# Altium PCB PCB_Template.PcbDoc (part 1 of 6)
Units mm, origin at the board's own origin, x right, y up, seen from the top; angles counter-clockwise.
Board outline 93 x 50 mm, 4 copper layers (Top Layer, Int1 (GND), Int2 (PWR), Bottom Layer), stack 1.369 mm thick; 176 components, 236 nets, 978 pads, 657 vias.
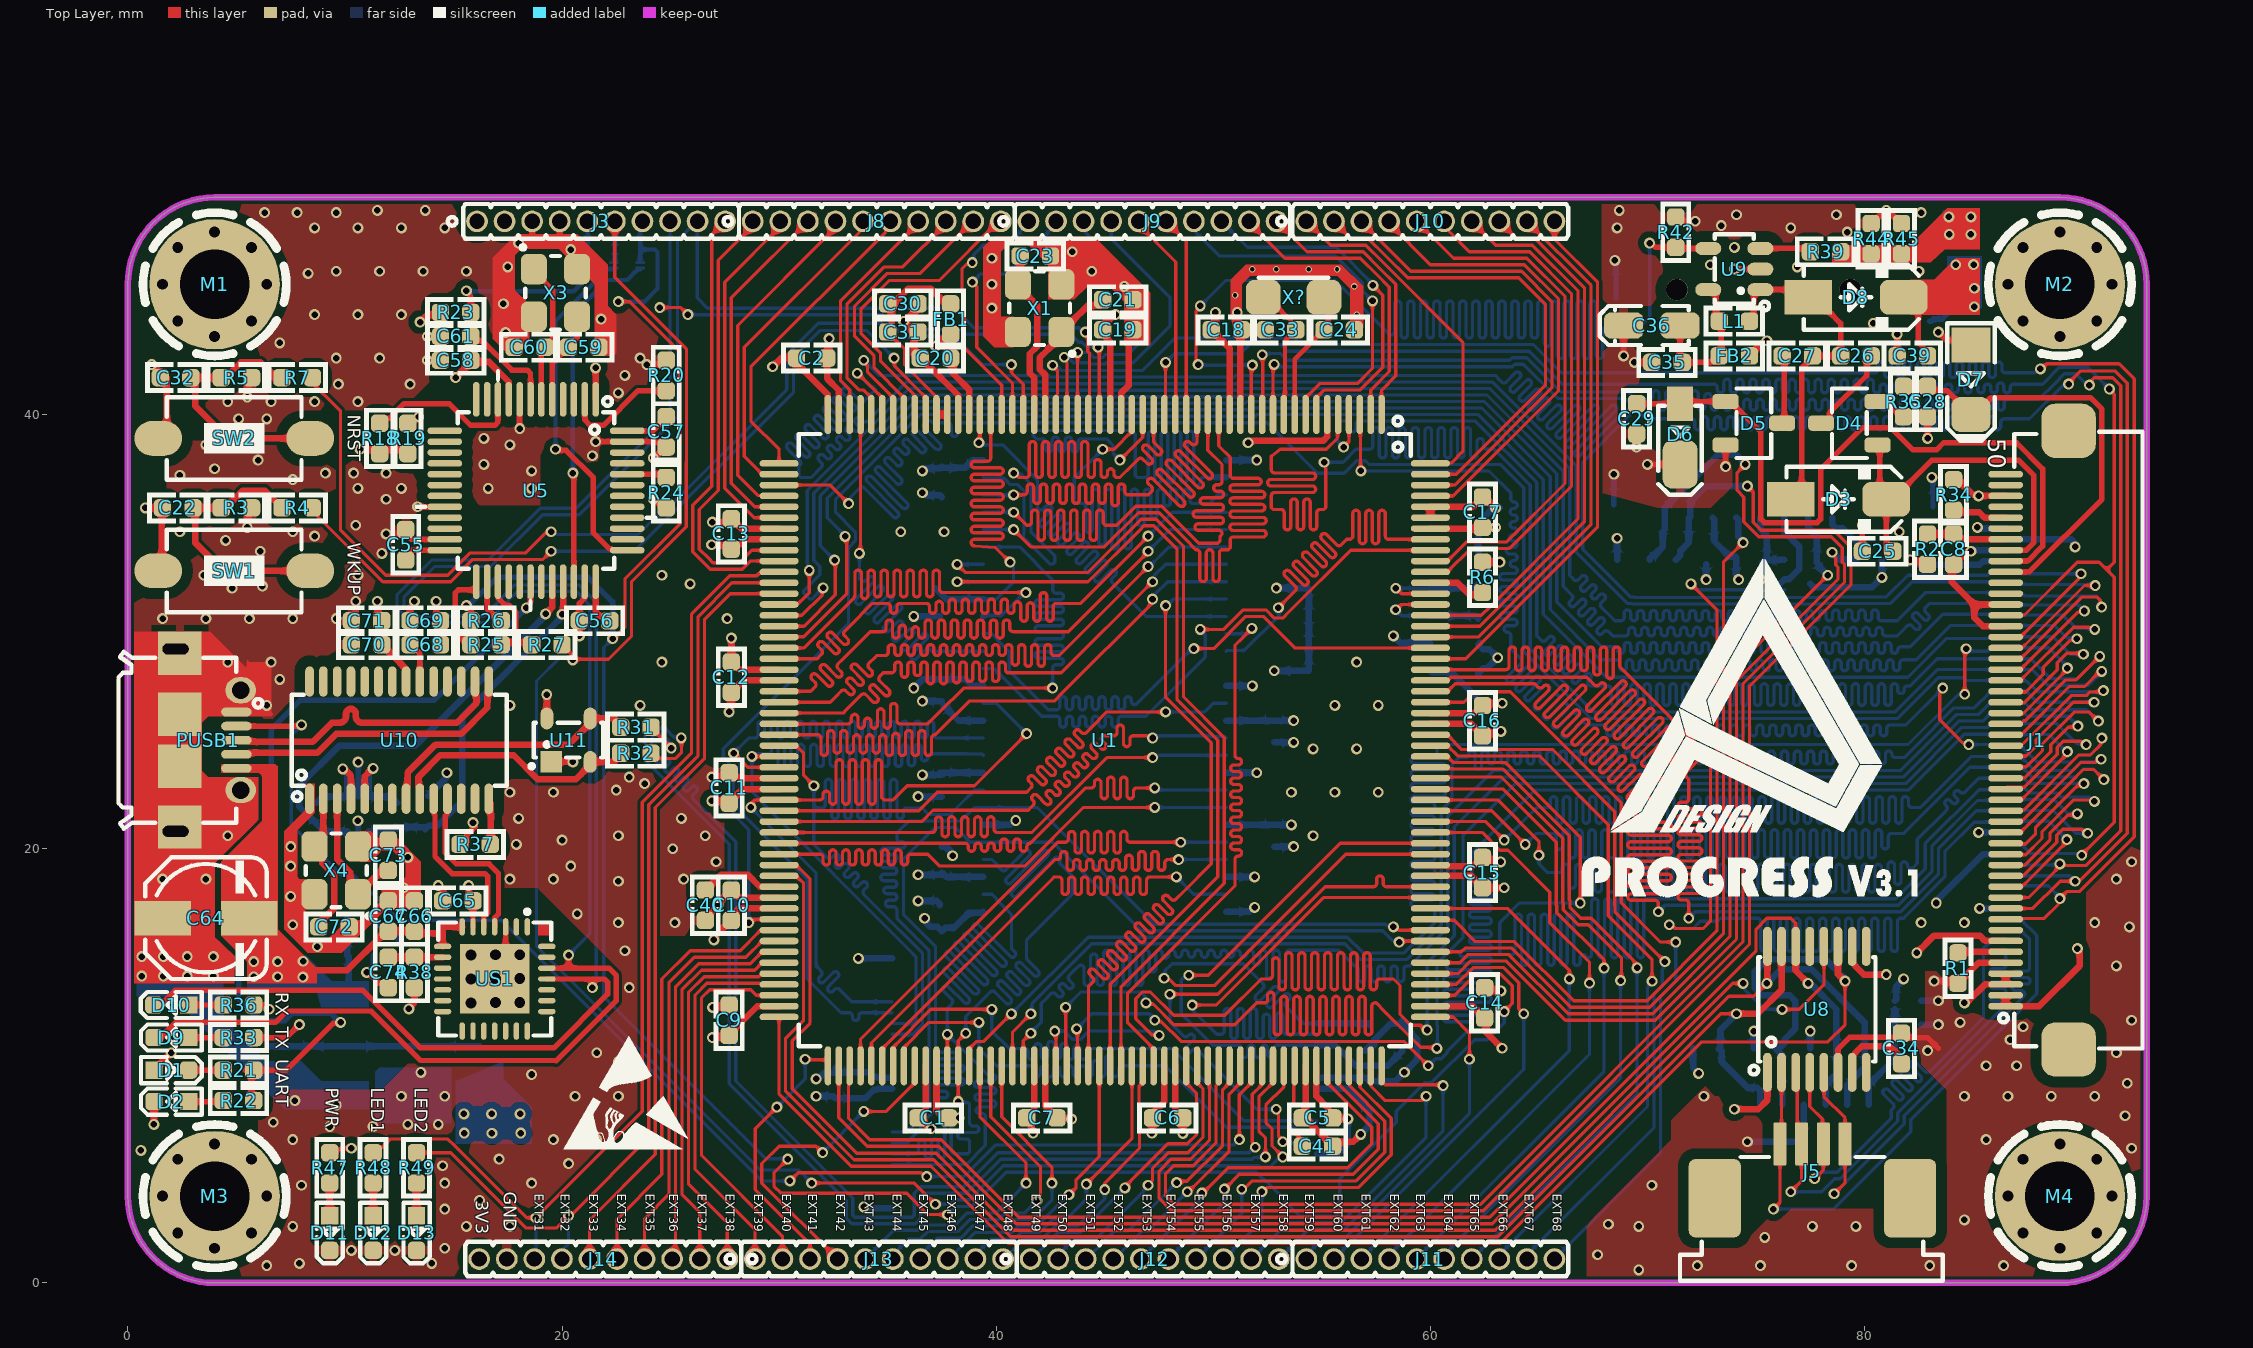
[diagram p0: Top Layer view]
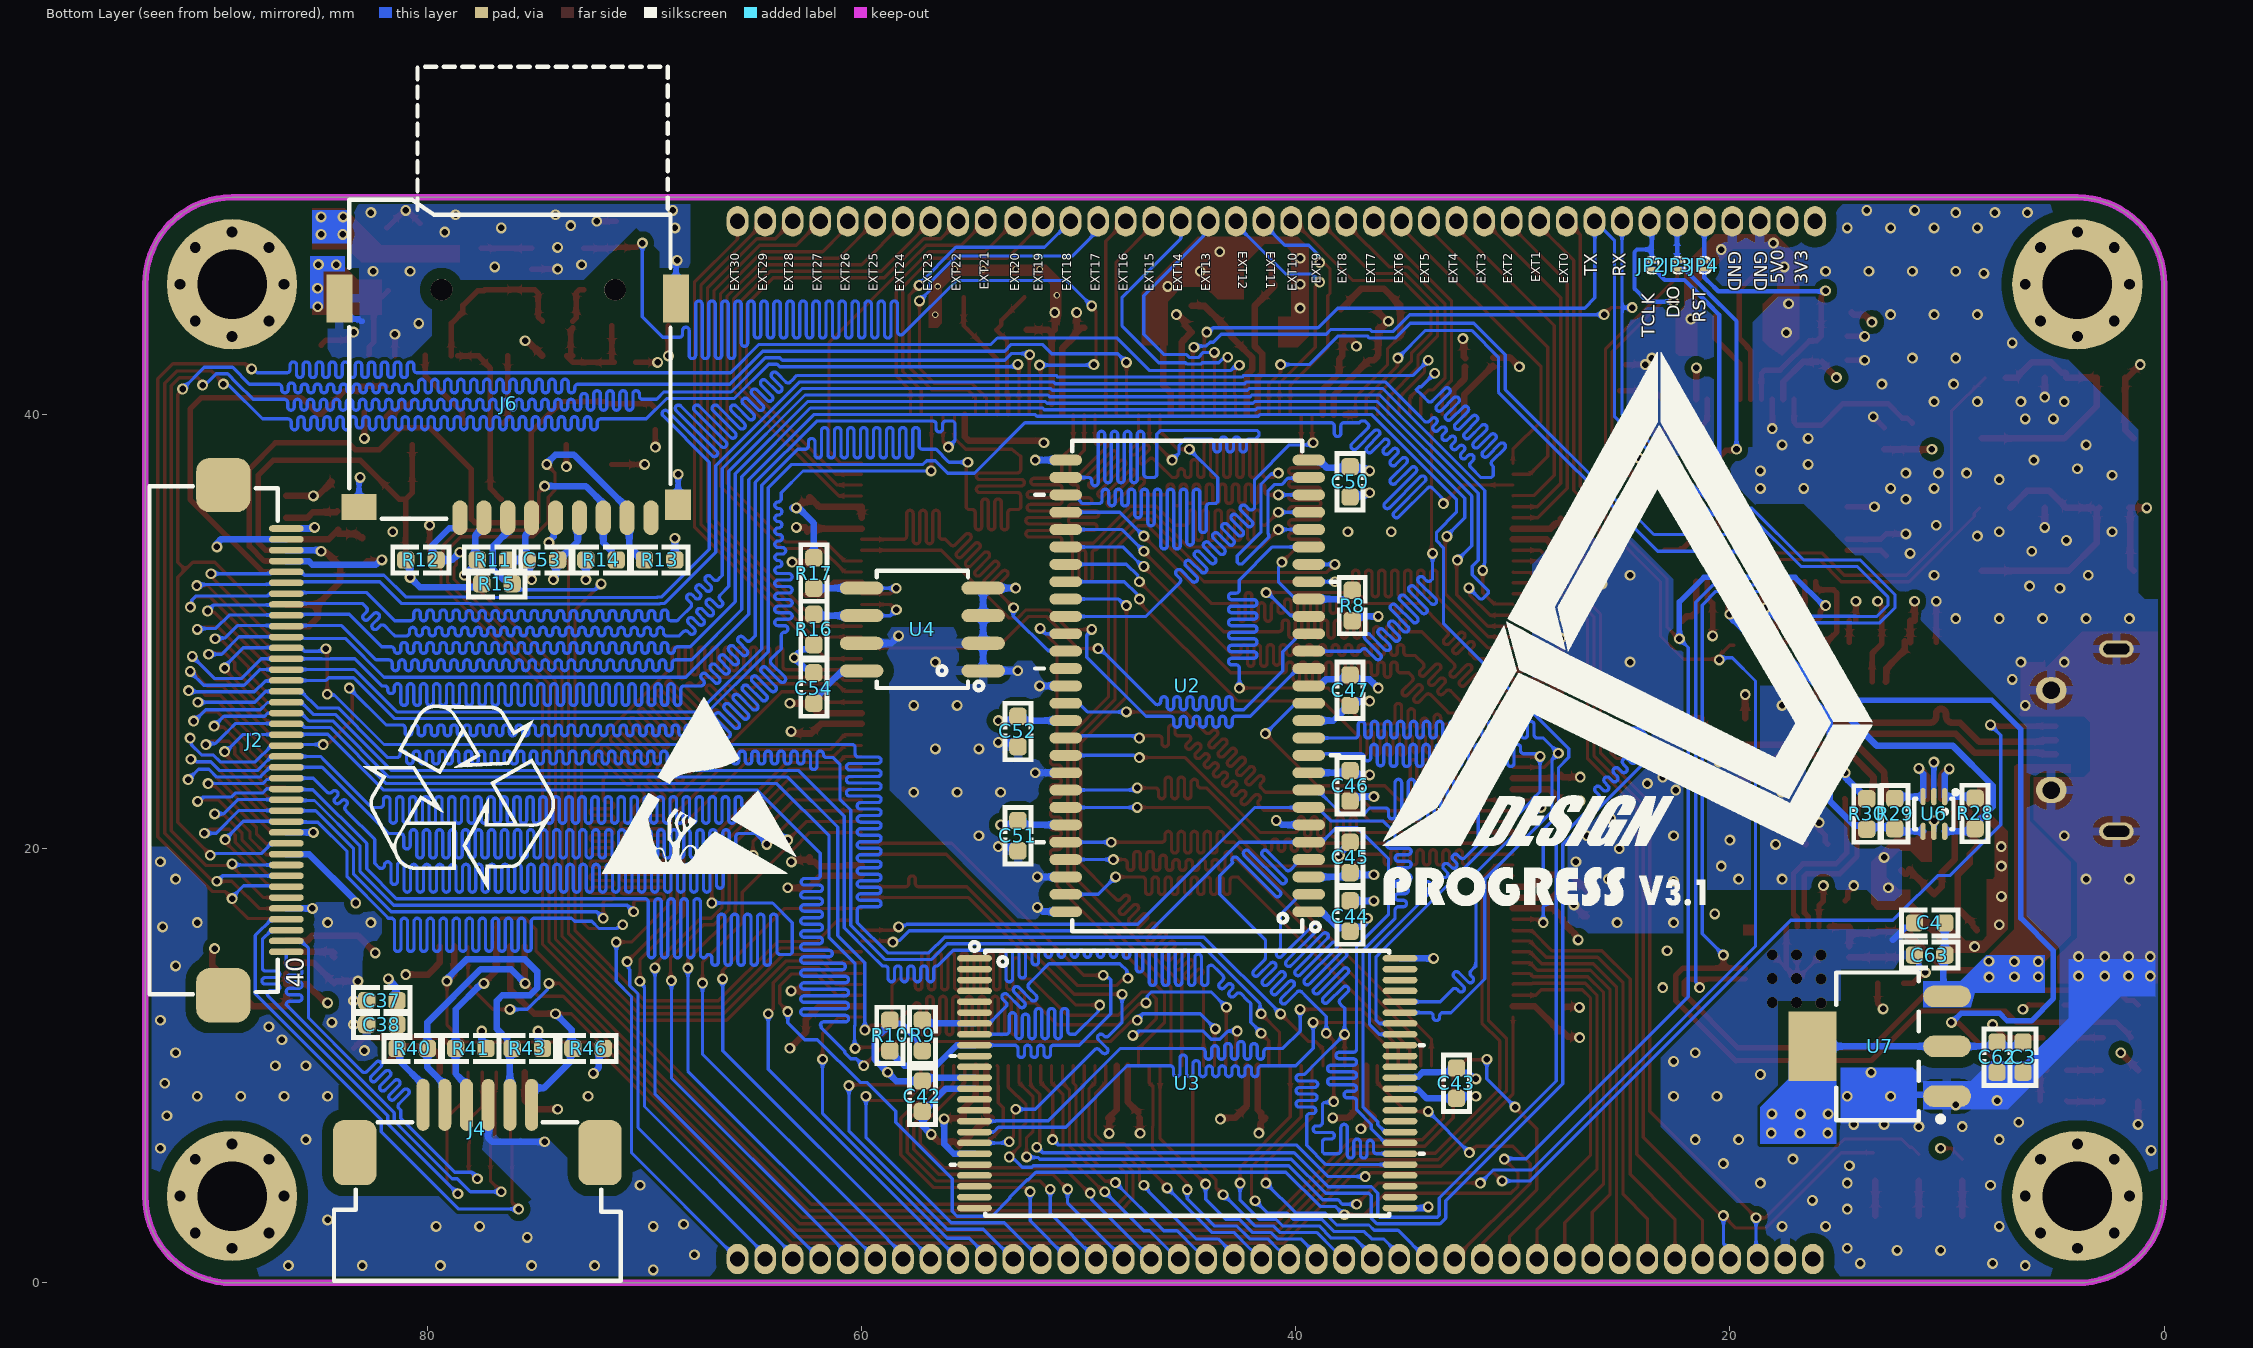
[diagram p1: Bottom Layer view, seen from below]
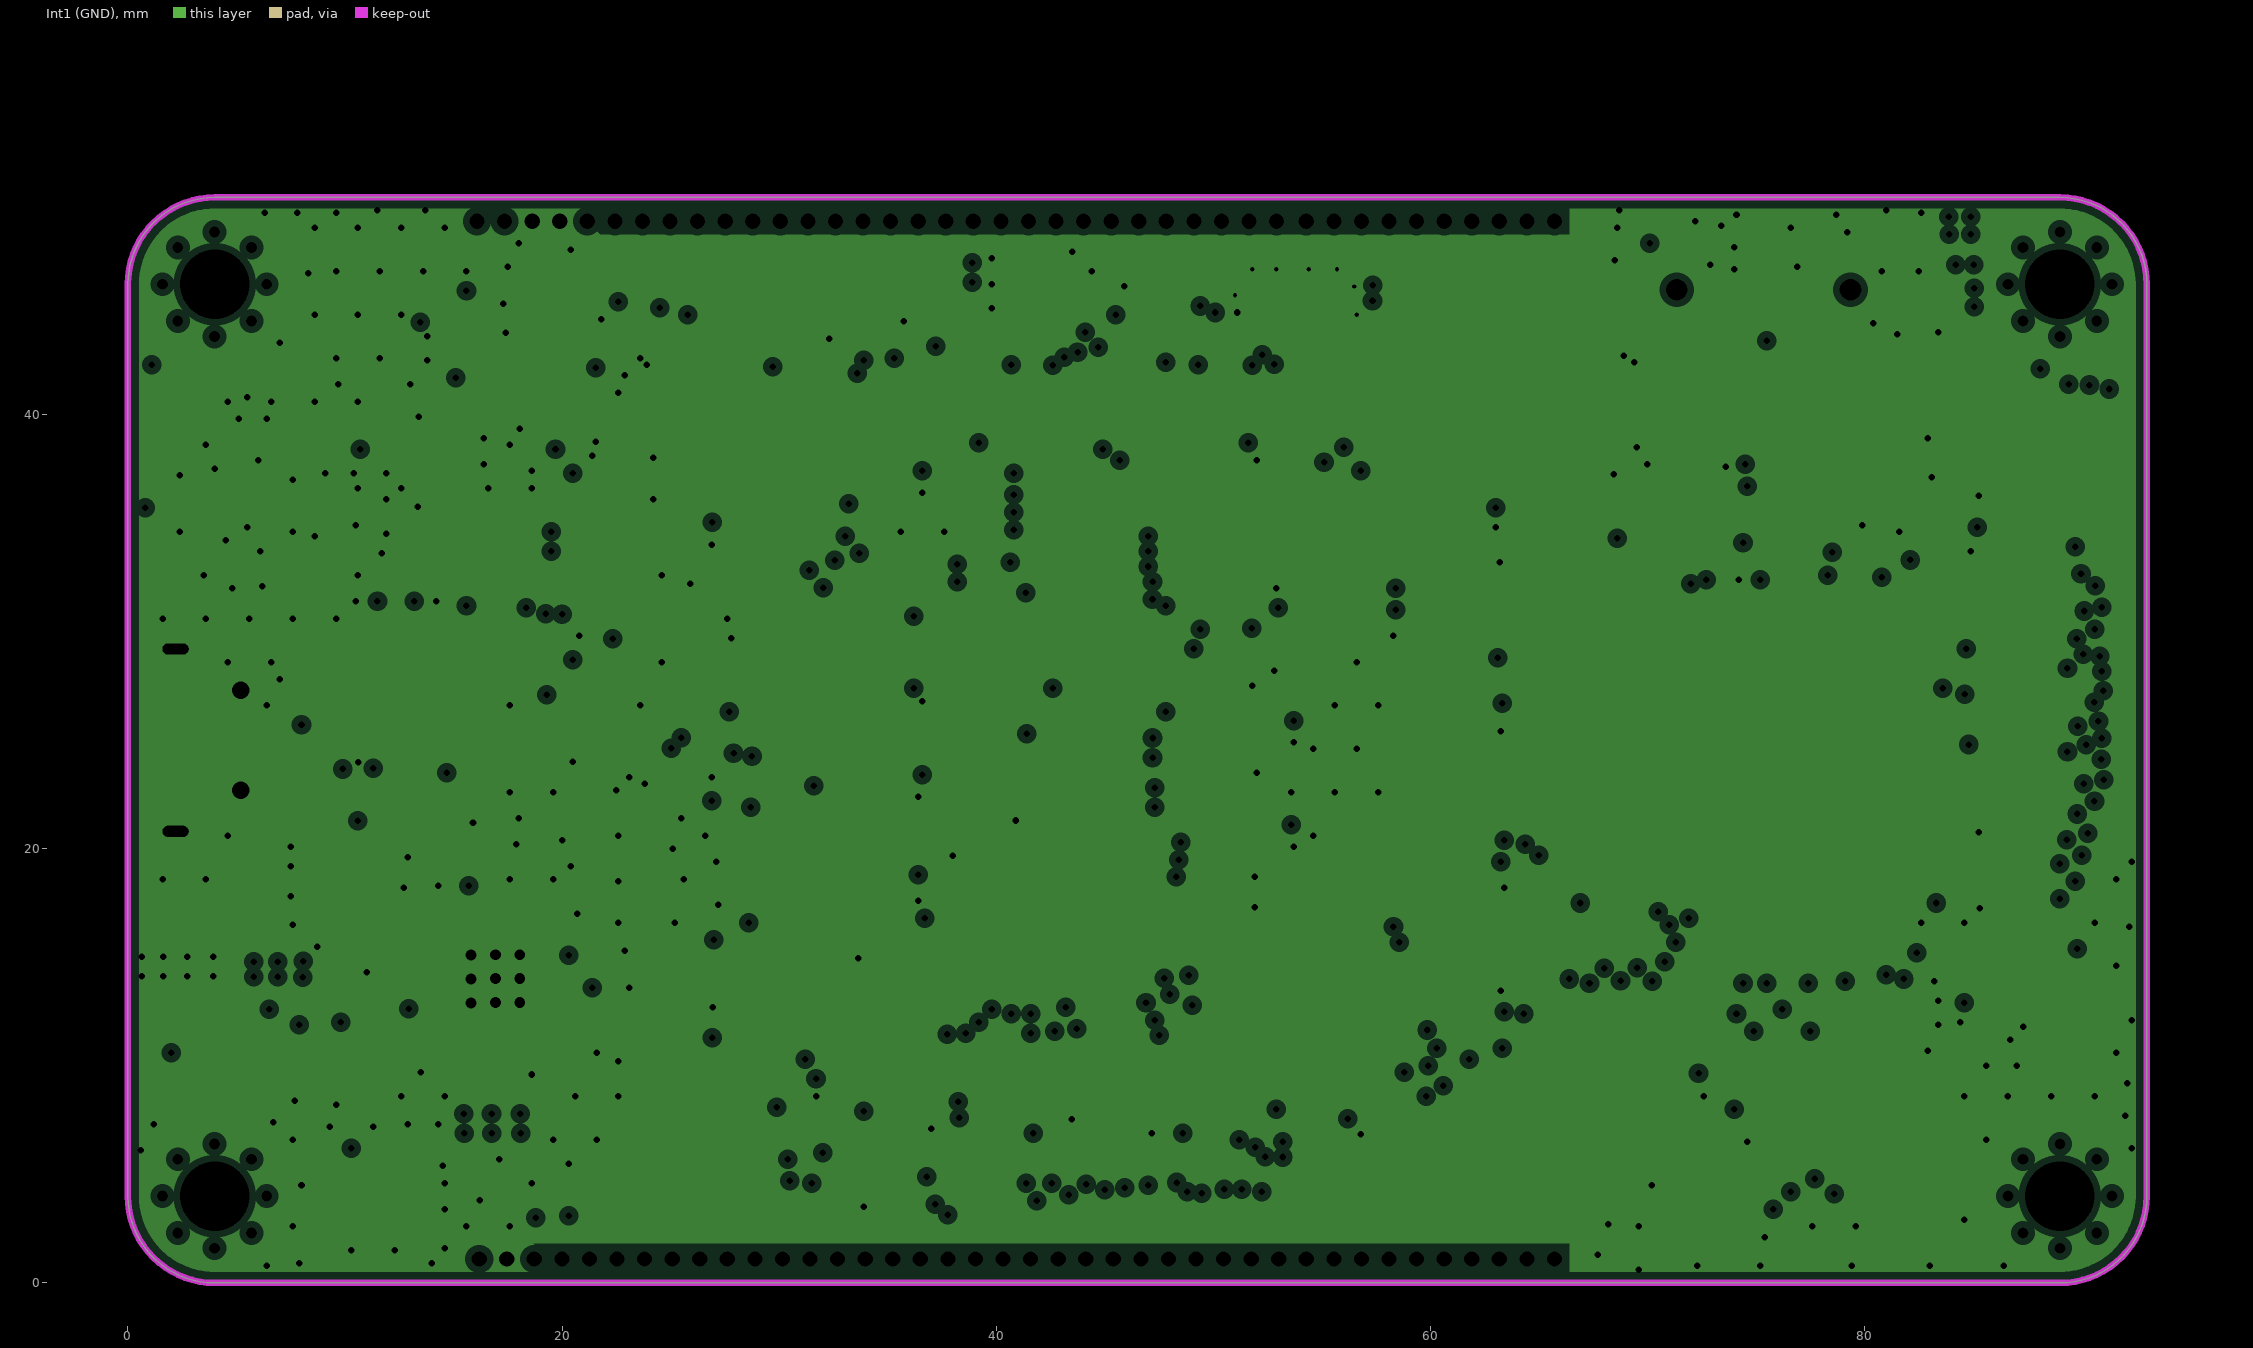
[diagram p2: Int1 (GND), clearances drawn from the general rule]
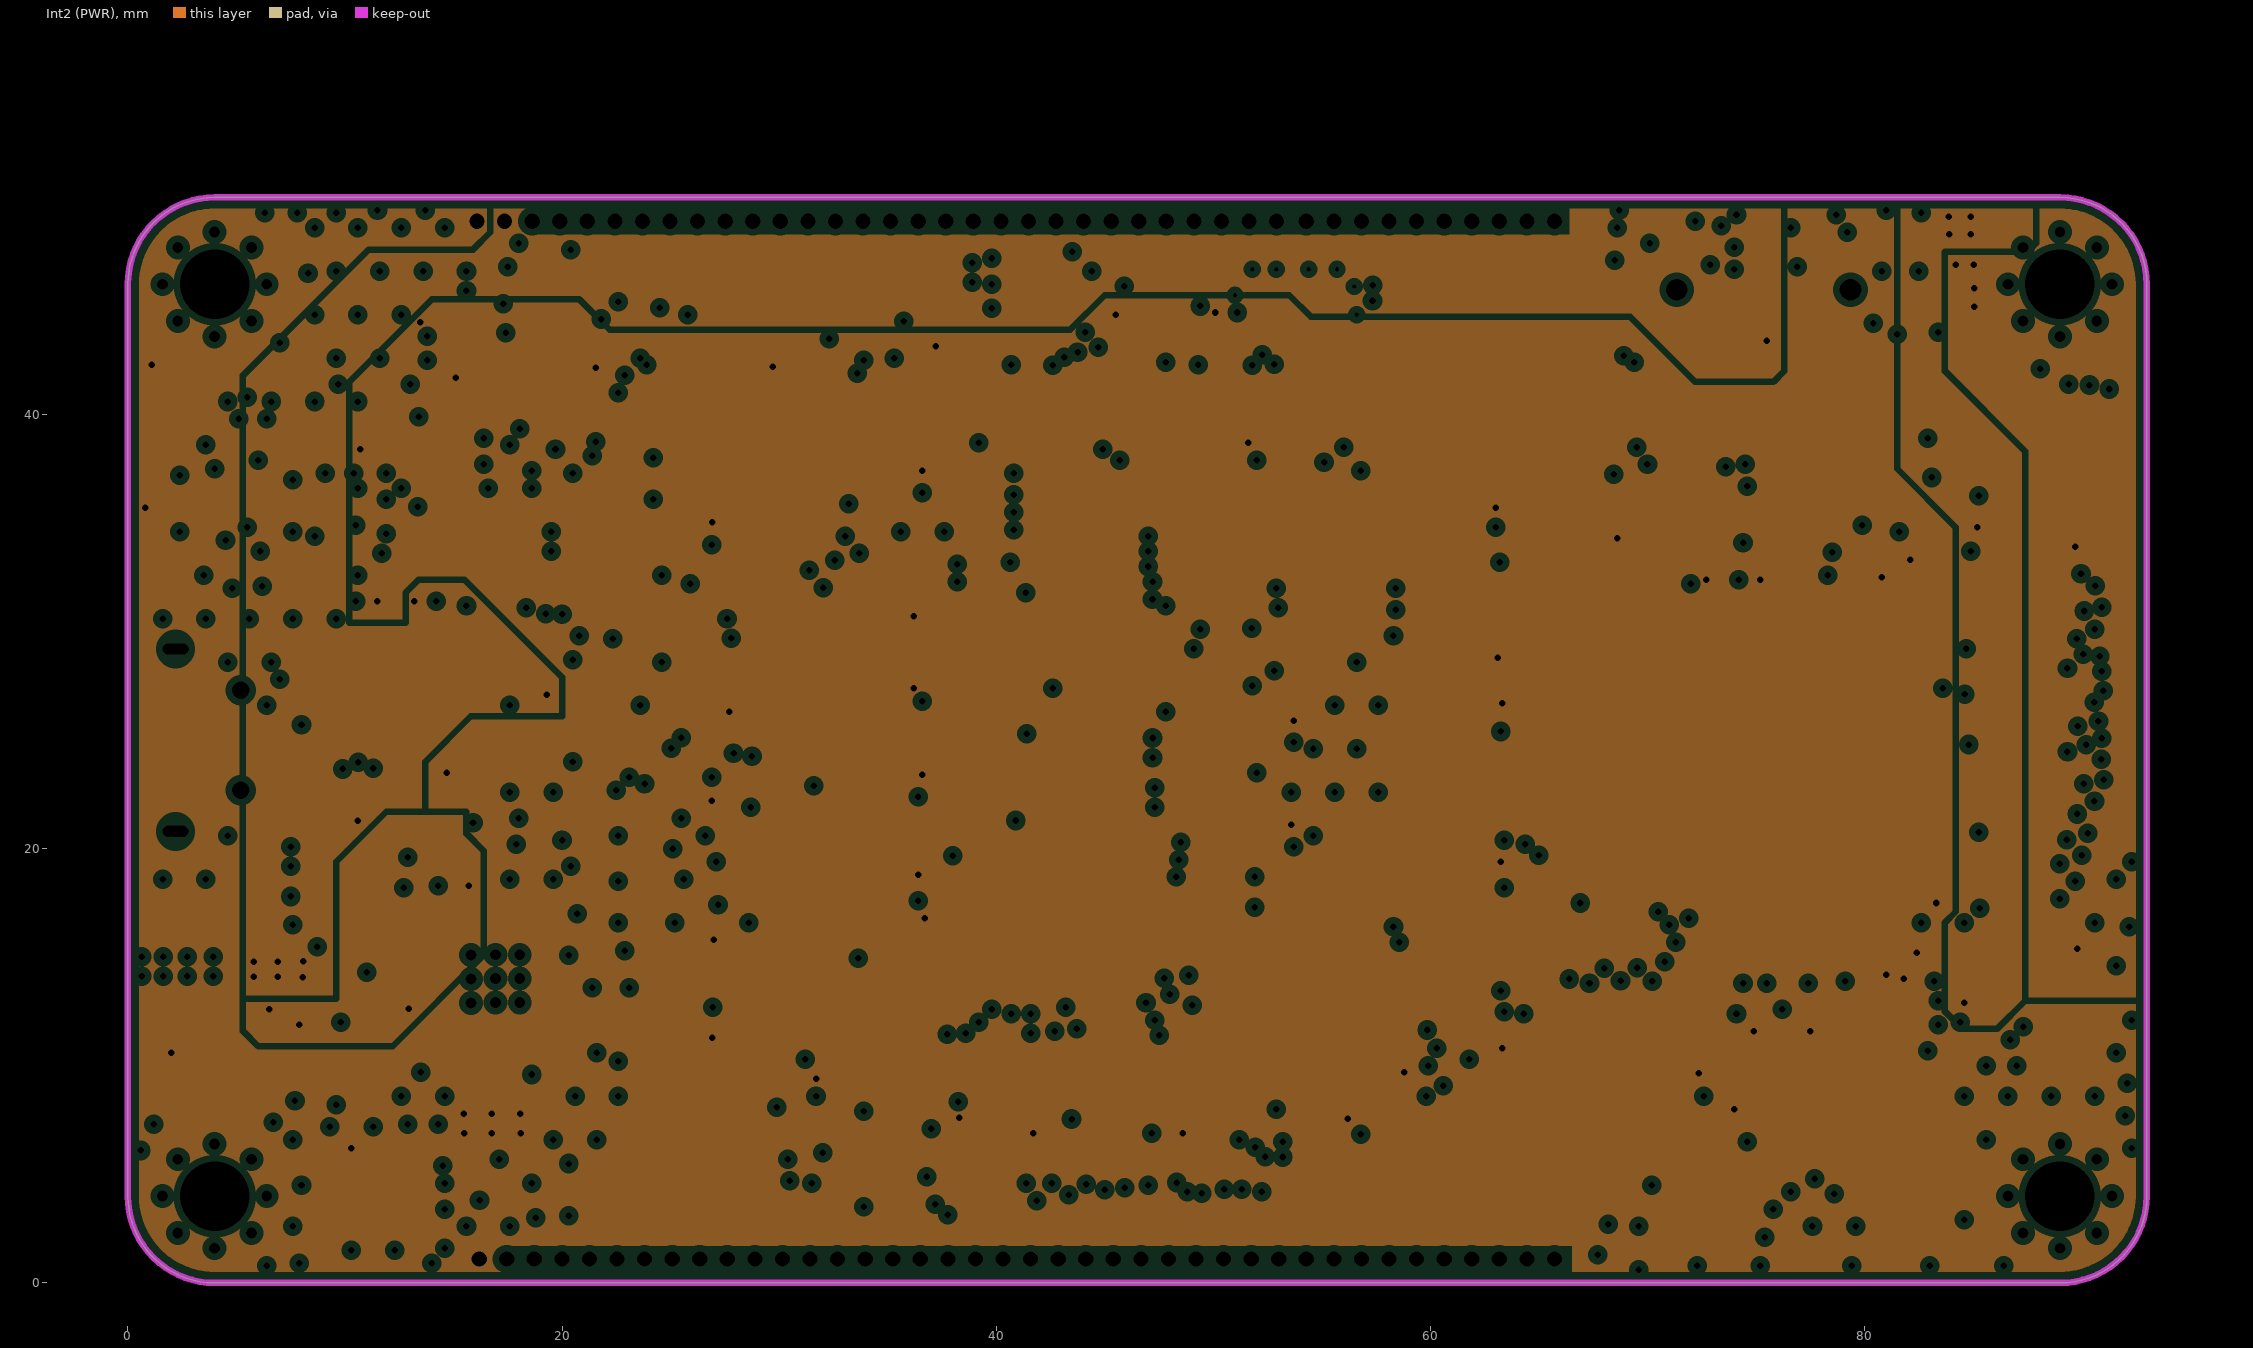
[diagram p3: Int2 (PWR), clearances drawn from the general rule]

## Layer stack, top to bottom
Top Solder: solder mask 0.0254, SM-001, Dk 4
Top Layer: signal copper 0.035
Dielectric 1: prepreg 0.1295, PP-017, Dk 4.3
Dielectric 2: prepreg 0.1295, PP-017, Dk 4.3
Int1 (GND): plane copper 0.035, net GND
Dielectric 3: core 0.7112, Core-039, Dk 4.8
Int2 (PWR): plane copper 0.035, net (Multiple Nets)
Dielectric 4: prepreg 0.1295, PP-017, Dk 4.3
Dielectric 5: prepreg 0.1295, PP-017, Dk 4.3
Bottom Layer: signal copper 0.035
Bottom Solder: solder mask 0.0254, SM-001, Dk 4

## Board outline
4,0 cw(c4,4) 0,4 0,46 cw(c4,46) 4,50 89,50 cw(c89,46) 93,46 93,4 cw(c89,4) 89,0

## Design rules (kind name [scope] priority, off if disabled: settings)
Clearance [All] p1: gap=0.15 ignorepadtopadclearanceinfootprint=FALSE except(0.3: Via-Poly; 0.5: SMDPad-Poly THPad-Poly)
DiffPairsRouting [All] p1: maxlimit=0.254 minlimit=0.15 mostfreqgap=0.15 toplayer_minwidth=0.15 toplayer_maxwidth=0.3 toplayer_prefwidth=0.15 bottomlayer_minwidth=0.15 bottomlayer_maxwidth=0.3 bottomlayer_prefwidth=0.15 maxuncoupledlength=12.7
HoleSize [All] p1: absolutevalues=TRUE maxlimit=10 minlimit=0.5 maxpercent=80.000 minpercent=20.000
HoleToHoleClearance [All] p1: gap=0.3 allowstackedmicrovias=TRUE
PlaneClearance [All] p1: clearance=0.3
PlaneConnect PlaneConnect_VCC5V0 [InNet('VCC5V')] p1: planeconnectstyle=Direct reliefexpansion=0.508 reliefentries=4 reliefconductorwidth=0.254 reliefairgap=0.254
PlaneConnect PlaneConnect_VCC3V3 [InNet('VCC3V3')] p2: planeconnectstyle=Direct reliefexpansion=0.508 reliefentries=4 reliefconductorwidth=0.254 reliefairgap=0.254
PlaneConnect [All] p3: pad.planeconnectstyle=Relief pad.reliefexpansion=0.4 pad.reliefentries=4 pad.reliefconductorwidth=0.4 pad.reliefairgap=0.3 via.planeconnectstyle=Direct via.reliefexpansion=0.5 via.reliefentries=4 via.reliefconductorwidth=0.4 via.reliefairgap=0.3
PolygonConnect PolygonConnect_Via [All vs IsVia] p1: connectstyle=Direct reliefconductorwidth=0.254 reliefentries=4 polygonreliefangle="90 Angle" airgapwidth=0.254
PolygonConnect PolygonConnect_Pad [All] p2: connectstyle=Relief reliefconductorwidth=0.4 reliefentries=4 polygonreliefangle="90 Angle" airgapwidth=0.3
RoomDefinition STLinkV2 [InComponentClass('STLinkV2')] p1: confinementstyle=ConfineIn formatcopy=TRUE lockcomponents=FALSE outline 101.1,103.7 355.199,103.7 355.199,132.6 101.1,132.6
RoomDefinition ProgressV3.1 [InComponentClass('ProgressV3.1')] p2: confinementstyle=ConfineIn formatcopy=TRUE lockcomponents=FALSE outline 101.1,65.7 328.799,65.7 328.799,98.1 101.1,98.1
RoomDefinition LCD [InComponentClass('LCD')] p3: confinementstyle=ConfineIn formatcopy=TRUE lockcomponents=FALSE outline 101.1,28.8 281.499,28.8 281.499,60.4 101.1,60.4
RoomDefinition ExternalMemory [InComponentClass('ExternalMemory')] p4: confinementstyle=ConfineIn formatcopy=TRUE lockcomponents=FALSE outline 101.1,4.3 237.499,4.3 237.499,27.5 101.1,27.5
RoutingVias [All] p1: holewidth=0.3 width=0.5 viastyle="Through Hole" minholewidth=0.3 minwidth=0.5 maxholewidth=0.3 maxwidth=0.5
SolderMaskExpansion [All] p1: expansion=0.102 istentingtop=FALSE
Width [All] p1: maxlimit=10 minlimit=0.15 preferedwidth=0.15
25 further rules are at their usual default settings.

## Classes and differential pairs
net class LCD_R[0..7]: LCD_R0 LCD_R1 LCD_R2 LCD_R3 LCD_R4 LCD_R5 LCD_R6 LCD_R7
net class LCD_G[0..7]: LCD_G0 LCD_G1 LCD_G2 LCD_G3 LCD_G4 LCD_G5 LCD_G6 LCD_G7
net class LCD_B[0..7]: LCD_B0 LCD_B1 LCD_B2 LCD_B3 LCD_B4 LCD_B5 LCD_B6 LCD_B7
net class FMC_D[0..15]: FMC_D0 FMC_D1 FMC_D2 FMC_D3 FMC_D4 FMC_D5 FMC_D6 FMC_D7 FMC_D8 FMC_D9 FMC_D10 FMC_D11 FMC_D12 FMC_D13 FMC_D14 FMC_D15
net class FMC_A[0..12]: FMC_A0 FMC_A1 FMC_A2 FMC_A3 FMC_A4 FMC_A5 FMC_A6 FMC_A7 FMC_A8 FMC_A9 FMC_A10 FMC_A11 FMC_A12
component class STLinkV2: C3 C4 C55 C56 C57 C58 C60 C61 C62 C63 C64 C65 C66 C67 C68 C69 C70 C71 C72 C73 C74 D1 D2 D9 D10 D11 PUSB1 R18 R19 R20 R21 R22 R23 R24 R25 R26 R27 R28 R29 R30 R31 R32 R33 R36 R37 R38 R47 U5 U6 U7 U10 U11 US1 X3 X4
component class ProgressV3.1: C1 C2 C5 C6 C7 C9 C10 C11 C12 C13 C14 C15 C16 C17 C18 C19 C20 C21 C22 C23 C24 C30 C31 C32 C33 C40 C41 D12 D13 FB1 J3 J8 J9 J10 J11 J12 J13 J14 M1 M2 M3 M4 R3 R4 R5 R6 R7 R48 R49 SW1 SW2 U1 X1 X?
component class LCD: C8 C25 C26 C27 C28 C29 C34 C35 C36 C37 C38 C39 D3 D4 D5 D6 D7 D8 FB2 J1 J2 J4 J5 L1 R1 R2 R34 R35 R39 R40 R41 R42 R43 R44 R45 R46 U8 U9
component class ExternalMemory: C42 C43 C44 C45 C46 C47 C50 C51 C52 C53 C54 J6 R8 R9 R10 R11 R12 R13 R14 R15 R16 R17 U2 U3 U4
differential pair USB: +USB_P -USB_N
differential pair USBDN4: +USBDN4_P -USBDN4_N
differential pair USBDN2: +USBDN2_P -USBDN2_N
differential pair USBDN1: +USBDN1_P -USBDN1_N
differential pair USB_OTG_FS: +USB_OTG_FS_P -USB_OTG_FS_N

## Components (designator, comment, footprint, x,y, rotation, side; value= is the part's Value field where it differs from the comment)
C1 "100nF" C0603 37.1,7.6 r180 top
C2 "100nF" C0603 31.5,42.6 r0 top
C3 "100nF" C0603 6.5,10.4 r270 bottom
C4 "100nF" C0603 10.802,16.579 r0 bottom
C5 "100nF" C0603 54.8,7.6 r180 top
C6 "100nF" C0603 47.9,7.6 r180 top
C7 "100nF" C0603 42.1,7.6 r0 top
C8 "1uF" C0603 84.1,33.8 r90 top
C9 "100nF" C0603 27.7,12.1 r90 top
C10 "100nF" C0603 27.8,17.4 r90 top
C11 "100nF" C0603 27.7,22.8 r90 top
C12 "100nF" C0603 27.8,27.9 r90 top
C13 "100nF" C0603 27.8,34.5 r270 top
C14 "100nF" C0603 62.5,12.9 r90 top
C15 "100nF" C0603 62.4,18.9 r270 top
C16 "100nF" C0603 62.4,25.9 r270 top
C17 "100nF" C0603 62.4,35.5 r270 top
C18 "100nF" C0603 50.6,43.9 r0 top
C19 "100nF" C0603 45.6,43.9 r0 top
C20 "100nF" C0603 37.2,42.6 r180 top
C21 "22uF" C0603 45.603,45.287 r180 top
C22 "100nF" C0603 2.3,35.7 r0 top
C23 "22uF" C0603 41.8,47.3 r180 top
C24 "22uF" C0603 55.8,43.9 r180 top
C25 "100nF" C0603 80.6,33.7 r180 top
C26 "100nF" C0603 79.6,42.7 r0 top
C27 "100nF" C0603 76.9,42.7 r0 top
C28 "100nF" C0603 82.9,40.6 r270 top
C29 "100nF" C0603 69.5,39.8 r270 top
C30 "100nF" C0603 35.7,45.1 r0 top
C31 "100nF" C0603 35.7,43.8 r0 top
C32 "100nF" C0603 2.2,41.7 r0 top
C33 "22uF" C0603 53.1,43.9 r0 top
C34 "100nF" C0603 81.7,10.8 r90 top
C35 "100nF" C0603 70.9,42.4 r0 top
C36 "100nF" C_TN_3216 70.2,44.1 r0 top
C37 "100nF" C0603 82.1,13 r180 bottom
C38 "100nF" C0603 82.1,11.9 r180 bottom
C39 "100nF" C0603 82.2,42.7 r180 top
C40 "2.2uF" C0603 26.6,17.4 r270 top
C41 "2.2uF" C0603 54.8,6.3 r0 top
C42 "100nF" C0603 57.2,8.6 r90 bottom
C43 "100nF" C0603 32.6,9.2 r90 bottom
C44 "100nF" C0603 37.5,16.9 r270 bottom
C45 "100nF" C0603 37.5,19.6 r270 bottom
C46 "100nF" C0603 37.5,22.9 r90 bottom
C47 "100nF" C0603 37.5,27.3 r90 bottom
C50 "100nF" C0603 37.5,36.9 r90 bottom
C51 "100nF" C0603 52.8,20.6 r90 bottom
C52 "100nF" C0603 52.8,25.4 r90 bottom
C53 "100nF" C0603 74.7,33.3 r0 bottom
C54 "100nF" C0603 62.2,27.4 r90 bottom
C55 "100nF" C0603 12.8,34 r270 top
C56 "100nF" C0603 21.5,30.5 r0 top
C57 "100nF" C0603 24.8,39.2 r90 top
C58 "100nF" C0603 15.1,42.5 r0 top
C59 "22uF" C0603 21,43.1 r180 top
C60 "22uF" C0603 18.5,43.1 r0 top
C61 "100nF" C0603 15.1,43.6 r0 top
C62 "10uF" C0603 7.7,10.4 r270 bottom
C63 "10uF" C0603 10.8,15.1 r0 bottom
C64 "22uF" C_EL_5 3.6,16.8 r0 top
C65 "100nF" C0603 15.2,17.6 r180 top
C66 "100nF" C0603 13.2,16.9 r90 top
C67 "10uF" C0603 12,16.9 r90 top
C68 "10uF" C0603 13.7,29.4 r0 top
C69 "100nF" C0603 13.7,30.5 r0 top
C70 "10uF" C0603 11,29.4 r180 top
C71 "100nF" C0603 11,30.5 r180 top
C72 "22uF" C0603 9.5,16.4 r180 top
C73 "22uF" C0603 12,19.7 r270 top
C74 "100nF" C0603 12,14.3 r270 top
D1 "LED0805" LED0603BLU 2.004,9.804 r0 top
D2 "LED0805" LED0603BLU 2.004,8.354 r180 top
D3 "1N5822" D_SMA 78.8,36.096 r0 top
D4 "BAV99" SOT23_3 79.3,39.6 r180 top
D5 "BAV99" SOT23_3 74.9,39.6 r0 top
D6 "ZENER5V6" D_SOD123W 71.5,38.9 r270 top
D7 "DIODE_SMD_ZENER_KDZTR13B" D1206 84.9,41.6 r270 top value=ZENER13V8
D8 "1N5822" D_SMA 79.6,45.4 r0 top
D9 "LED0805" LED0603BLU 2.004,11.304 r180 top
D10 "LED0805" LED0603BLU 2,12.8 r180 top
D11 "LED0805" LED0603BLU 9.3,2.3 r270 top
D12 "LED0805" LED0603BLU 11.3,2.3 r270 top
D13 "LED0805" LED0603BLU 13.3,2.3 r270 top
FB1 "FB805" L0603 37.9,44.4 r270 top
FB2 "FB603" L0603 74,42.7 r180 top
J1 "FPC_0.5mm_50" FPC50_50 86.5,25 r270 top locked
J2 "FPC50_40" FPC50_40 86.5,25 r90 bottom locked
J3 "HDR1X10" HDRMINI_M_1X10 21.8,48.9 r0 top value=HDRMINI_10
J4 "FPC_1mm_4" FPC100_6H 77.7,8.2 r0 bottom
J5 "FPC_1mm_4" FPC100_4HT 77.6,6.4 r180 top
J6 "SD_MICRO" SDMICRO_AT 76.3,40.5 r180 bottom locked
J8 "HDR1X10" HDRMINI_M_1X10 34.5,48.9 r0 top value=HDRMINI_10
J9 "HDR1X10" HDRMINI_M_1X10 47.2,48.9 r0 top value=HDRMINI_10
J10 "HDR1X10" HDRMINI_M_1X10 60,48.9 r0 top value=HDRMINI_10
J11 "HDR1X10" HDRMINI_M_1X10 60,1.1 r0 top value=HDRMINI_10
J12 "HDR1X10" HDRMINI_M_1X10 47.3,1.1 r0 top value=HDRMINI_10
J13 "HDR1X10" HDRMINI_M_1X10 34.6,1.1 r0 top value=HDRMINI_10
J14 "HDR1X10" HDRMINI_M_1X10 21.9,1.1 r180 top value=HDRMINI_10
JP2 "JMPSOLDER" JP_40X50 23.6,46.875 r270 bottom
JP3 "JMPSOLDER" JP_40X50 22.392,46.875 r270 bottom
JP4 "JMPSOLDER" JP_40X50 21.184,46.875 r270 bottom
L1 "10uH" L0603 74,44.3 r0 top
M1 "DNP/MH" SCMH_M3 4,46 r0 top
M2 "DNP/MH" SCMH_M3 89,46 r0 top
M3 "DNP/MH" SCMH_M3 4,4 r0 top
M4 "DNP/MH" SCMH_M3 89,4 r0 top
PUSB1 "CONN_USB_MICROAB_TM" USB_MICRO_AB_TM_SHT 5,25 r90 top locked
R1 "10K" R0603 84.3,14.5 r90 top
R2 "10K" R0603 82.9,33.8 r270 top
R3 "10K" R0603 5,35.7 r0 top
R4 "1K" R0603 7.8,35.7 r0 top
R5 "10K" R0603 5,41.7 r0 top
R6 "10K" R0603 62.4,32.5 r270 top
R7 "1K" R0603 7.8,41.7 r0 top
R8 "10K" R0603 37.4,31.2 r270 bottom
R9 "10K" R0603 57.2,11.4 r270 bottom
R10 "10K" R0603 58.7,11.4 r90 bottom
R11 "10K" R0603 77,33.3 r180 bottom
R12 "10K" R0603 80.3,33.3 r0 bottom
R13 "10K" R0603 69.3,33.3 r180 bottom
R14 "10K" R0603 72,33.3 r0 bottom
R15 "10K" R0603 76.8,32.2 r0 bottom
R16 "10K" R0603 62.2,30.1 r270 bottom
R17 "10K" R0603 62.2,32.7 r90 bottom
R18 "4.7K" R0603 11.6,38.9 r90 top
R19 "4.7K" R0603 12.9,38.9 r270 top
R20 "10K" R0603 24.8,41.8 r90 top
R21 "1K" R0603 5.1,9.8 r0 top
R22 "1K" R0603 5.1,8.4 r0 top
R23 "10K" R0603 15.1,44.7 r180 top
R24 "10K" R0603 24.8,36.4 r270 top
R25 "100" R0603 16.5,29.4 r180 top
R26 "22" R0603 16.5,30.5 r0 top
R27 "2" R0603 19.3,29.4 r180 top
R28 "22" R0603 8.708,21.623 r90 bottom
R29 "22" R0603 12.408,21.615 r90 bottom
R30 "1.5K" R0603 13.7,21.6 r90 bottom
R31 "22" R0603 23.4,25.6 r0 top
R32 "22" R0603 23.4,24.4 r0 top
R33 "1K" R0603 5.1,11.3 r0 top
R34 "10K" R0603 84.1,36.3 r270 top
R35 "120" R0603 81.8,40.6 r90 top
R36 "1K" R0603 5.1,12.8 r0 top
R37 "2.7K" R0603 16,20.2 r180 top
R38 "10K" R0603 13.2,14.3 r270 top
R39 "1K" R0603 78.2,47.5 r180 top
R40 "10K" R0603 80.7,10.8 r180 bottom
R41 "10K" R0603 78,10.8 r0 bottom
R42 "100K" R0603 71.3,48.4 r270 top
R43 "10K" R0603 75.4,10.8 r0 bottom
R44 "2.2" R0603 80.3,48.1 r90 top
R45 "100" R0603 81.7,48.1 r90 top
R46 "10K" R0603 72.6,10.8 r0 bottom
R47 "1K" R0603 9.3,5.3 r90 top
R48 "560" R0603 11.3,5.3 r90 top
R49 "560" R0603 13.3,5.3 r90 top
SW1 "PUSHBUTTON" SWPBS_SPST_6X3X2 4.9,32.8 r180 top
SW2 "PUSHBUTTON" SWPBS_SPST_6X3X2 4.9,38.9 r180 top
U1 "STM32F429BIT6" QFG50_208 45,25 r270 top locked
U2 "SDRAM_MT48LC32M16" SOG80_54 45,27.5 r0 bottom locked
U3 "K9F2G08U0C" SOG50_48_W 45,9.2 r180 bottom locked
U4 "EEPROM_I2C_AT24C02_SOP8" SO_8 57.2,30.1 r0 bottom locked value=AT24C02
U5 "STM32F103" QFG50_48 18.8,36.5 r270 top
U6 "USBLC6-2" SOT563_6 10.608,21.6 r270 bottom
U7 "AMS1117" SOT223_4 13.2,10.9 r0 bottom
U8 "XPT2046" SOG65_16 77.8,12.6 r90 top
U9 "MP3302DJ" SOT23_5 74,46.7 r180 top
U10 "FE1.1S" SOG63_28 12.5,25 r90 top
U11 "PRTR5V0U2X" SOT143_4 20.3,25 r90 top
US1 "CP2102" QFN50_28T 16.9,14 r270 top
X1 "XTL_25MHz" XTL_4_3225 42,44.9 r180 top
X3 "8MHz" XTL_4_3225 19.7,45.6 r0 top
X4 "8MHz" XTL_4_3225 9.6,19 r180 top
X? "XTL_32.768KHz" XTL_2_3215 53.7,45.4 r0 top
